# KiCad board CPU.kicad_pcb (continued)
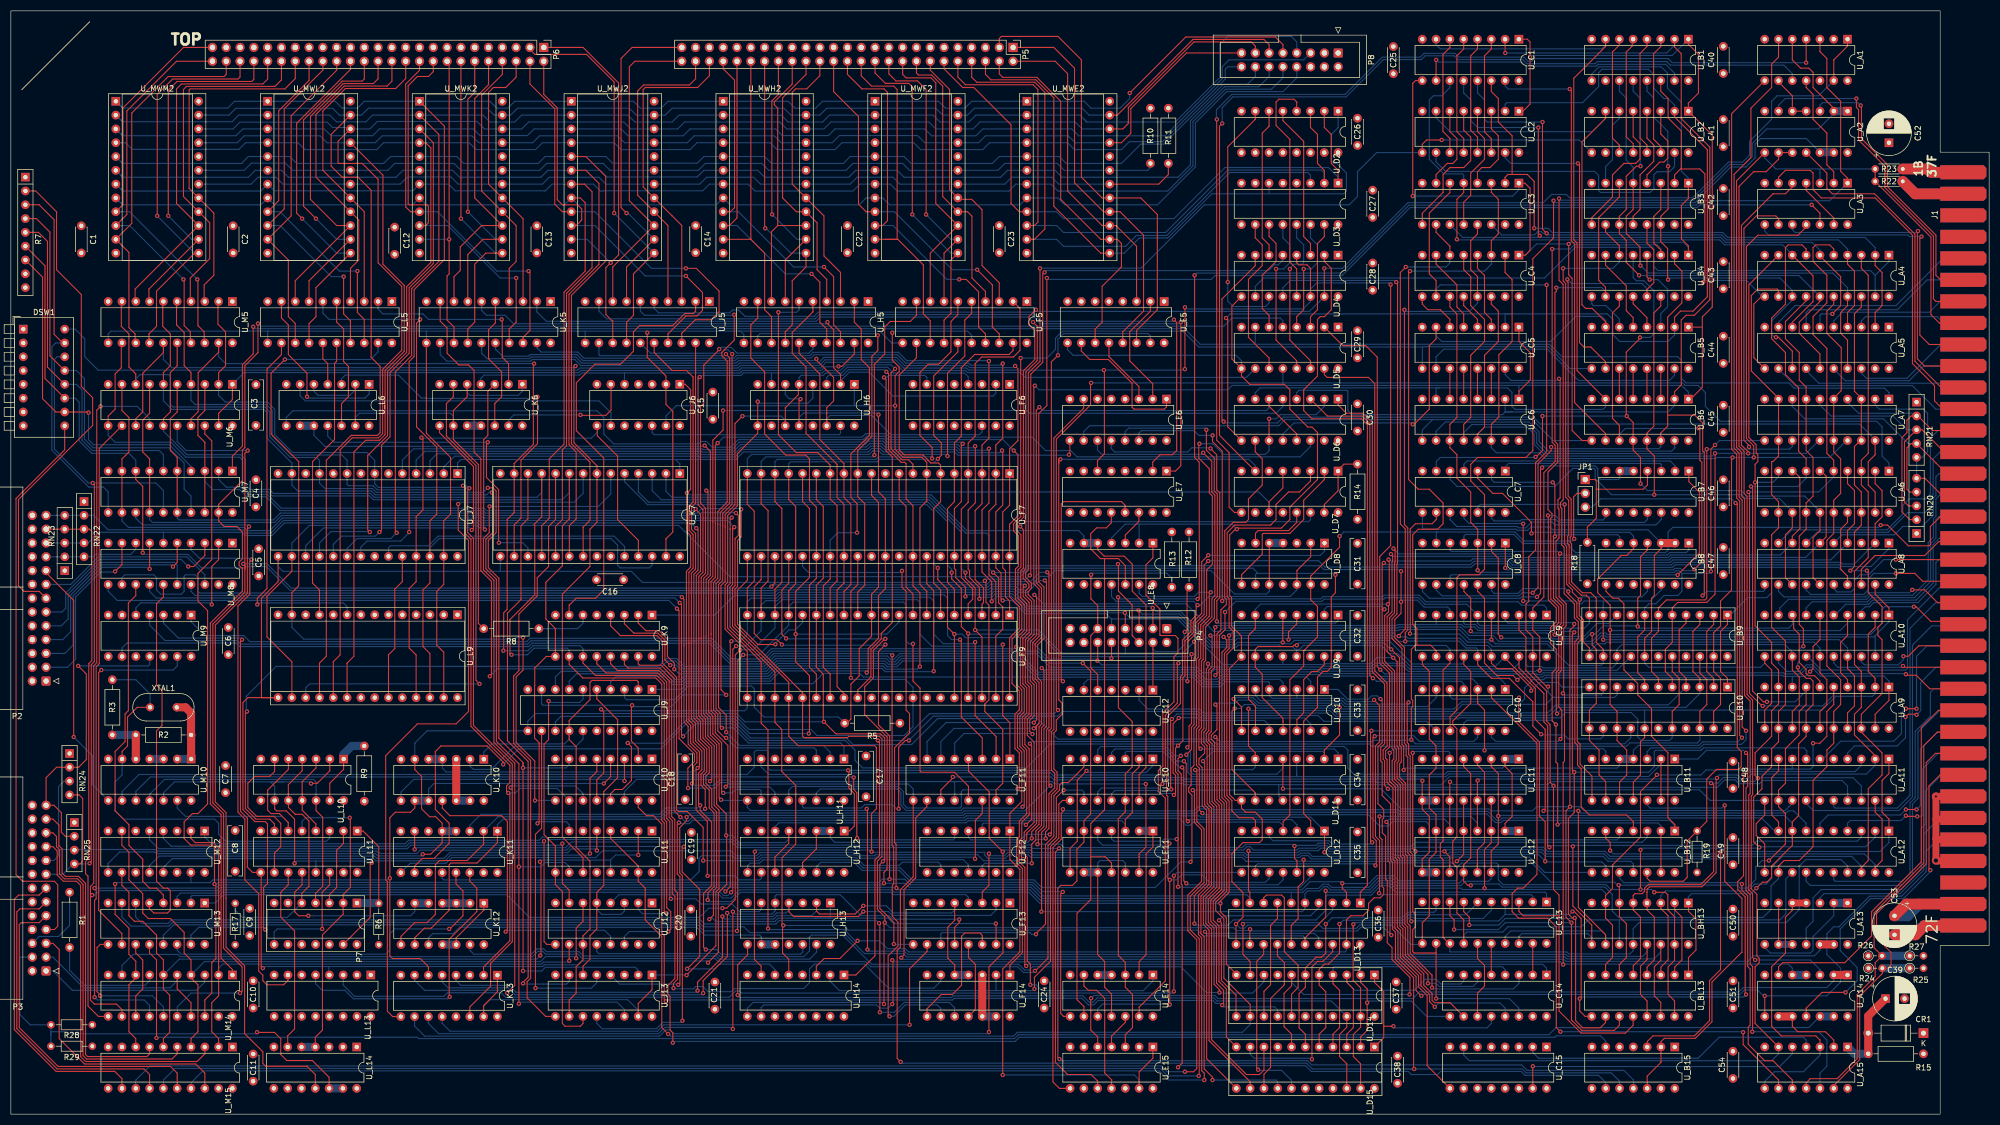
[diagram p0: board, top side]
## Routing (per net, layer and track width the routed paths; a pad name or vN(x,y) marks a point on that pad's centre or on a via; arc(x,y) is an arc through that point) (continued)
  Bottom w1.5: 335.42,17.99 U_A14.12
/INT_ENABLE: length 323.9
  Top w0.2: U_F11.4 176.2,63.12 180.01,59.31 180.01,50.79 v1(182.5,48.3) 182.55,48.25 182.55,29.69 179.96,27.1 v1(179.96,15.1) ; v1(277.5,76.63) 277.44,76.57 277.44,72.25 281.25,68.44 281.25,54.84 282.32,53.78 282.32,46.52 v1(282.32,46.51)
  Bottom w0.2: U_B12.9 293.46,45.68 292.74,46.41 282.43,46.41 281.09,47.75 265,47.75 264.4,47.15 254.52,47.15 254.24,47.42 239.44,47.42 238.84,48.02 237.32,48.02 236.99,47.68 227.4,47.68 226.95,48.14 188.09,48.14 187.62,48.6 182.8,48.6 v1(182.5,48.3) ; v1(179.96,15.1) 179.96,14.91 179.85,14.8 121.95,14.8 121.25,15.5 120.5,15.5 119.35,14.35 76.14,14.35 74.98,15.51 74.97,15.51 74.28,16.19 U_K13.10 ; U_C10.5 264.8,76.87 265.29,76.38 277.24,76.38 v1(277.5,76.63)
/J13_12: length 292.5
  Top w0.2: U_B12.1 306.16,53.3 304.93,54.53 ; 304.93,66.47 301.88,69.52 301.88,74.6 299.34,77.14 299.34,79.21 296.8,81.75 296.8,93.9 295.79,94.92 294.77,94.92 293.5,96.19 U_B8.8 ; v1(123.57,17.19) 123.56,17.2 123.56,43.89 123.07,44.38 123.07,52.73 124.34,54 v1(124.34,54.65) ; 304.89,54.53 304.89,66.47
  Bottom w0.2: v1(123.57,17.19) 123.27,16.89 119.96,16.89 118.79,15.71 108.8,15.71 107.81,16.7 U_J13.12 ; U_B12.1 306.16,53.09 305.21,54.04 274.59,54.04 274.19,53.64 273.18,53.64 271.58,55.24 255.44,55.24 255.13,55.55 220.86,55.55 220.26,56.15 218.79,56.15 217.99,55.35 189.56,55.35 175.59,55.35 175.21,54.97 124.65,54.97 v1(124.34,54.65)
/K7_OR_{0}: length 107.3
  Top w0.2: U_K7.12 95.14,109.54 93.86,108.25 93.86,94.67 91.37,92.18 91.37,68.7 95.18,64.89 95.18,25.2 94.24,24.25 v1(94.24,24.05)
  Bottom w0.2: U_J13.7 102.73,24.42 102.24,23.93 98.01,23.93 98,23.93 94.36,23.93 v1(94.24,24.05)
/K7_OR_{1}: length 107.8
  Top w0.2: U_J13.9 98.4,17.99 94.99,21.4 94.99,24.37 95.63,25.01 95.63,65.08 92.51,68.2 92.51,80.63 93.47,81.59 93.47,92 96.85,95.37 96.85,98.68 98.94,100.76 98.94,108.13 100.22,109.41 U_K7.10
/K7_OR_{2}: length 135.1
  Top w0.2: v1(82.3,112.26) 82.3,112.09 82.31,112.08 82.31,107.47 84.2,105.57 84.2,74.09 81.92,71.81 74.81,71.81 68.96,65.96 68.96,43.09 69.27,42.78 69.27,18.92 70.24,17.95 U_K13.9
  Bottom w0.2: v1(82.3,112.26) 82.64,112.6 103.66,112.6 105.3,114.24 U_K7.8
/K7_OR_{3}: length 139
  Top w0.2: v1(91.32,22.28) 92.71,23.67 92.71,64.58 88.88,68.41 88.88,98.22 86.94,100.16 86.94,105.93 88.01,107 88.01,111.75 v1(88.08,111.81)
  Bottom w0.2: U_K7.6 110.38,114.11 108.08,111.81 v1(88.08,111.81) ; 74.28,25.62 74.28,24.63 76.13,22.78 90.81,22.78 v1(91.32,22.28)
/K7_S_{0}: length 70.4
  Top w0.2: v1(96.9,132) 96.9,123.37 93.86,120.32 93.86,109.65 92.6,108.4 U_K7.16
  Bottom w0.2: 60.84,134.28 60.84,135.31 61.51,135.98 71.33,135.98 75.57,131.75 76.33,131.75 76.38,131.7 96.6,131.7 v1(96.9,132)
/K7_S_{1}: length 58.7
  Top w0.2: v1(89.79,105.14) 89.74,105.2 89.74,114.91 87.51,117.14 87.51,123.39 v1(87.75,123.63)
  Bottom w0.2: U_K7.17 95.14,104.18 94.17,105.14 v1(89.79,105.14) ; U_L6.11 58.3,124.76 59.44,123.62 87.75,123.62 v1(87.75,123.63)
/L13_~{K}: length 190.9
  Top w0.2: v1(214,43.87) 214,22.58 v1(213.99,22.58)
  Bottom w0.2: U_L13.3 61.14,23.75 63.21,21.68 79.69,21.68 80.34,22.33 90.2,22.33 91.01,21.51 132.21,21.51 133.35,22.66 134.05,22.66 134.43,22.28 213.69,22.28 v1(213.99,22.58) ; v1(214,43.87) 214.61,44.47 U_D12.8
/M10C_a: length 390.6
  Top w0.2: v1(213.24,20.16) v1(213.24,43.1) 212.87,43.47 212.87,58.45 212.64,58.69 v1(212.64,62.71) 212.87,62.94 212.87,73.22 215.19,75.54 215.19,80.5 215.58,80.89 215.58,87.24 217.12,88.78 217.12,90.79 218.1,91.77 218.1,93.39 v1(218.36,93.65) ; U_H12.1 154.28,52.09 155.2,53.01 155.2,58.98 154.18,60 154.18,63.13 v1(154.05,63.25) ; U_D8.12 236.63,100.03 239.17,102.56 U_D8.2
  Bottom w0.2: U_M10.9 20.47,59.38 23.59,62.5 135.48,62.5 136.78,63.81 136.78,66.6 137.12,66.94 139.11,66.94 139.32,66.73 139.32,63.68 139.7,63.3 154.01,63.3 v1(154.05,63.25) 154.33,62.98 154.61,63.25 191.47,63.25 192.32,62.41 212.34,62.41 v1(212.64,62.71) ; v1(213.24,43.1) 214.51,43.1 215.42,44.02 219.18,44.02 220.55,42.65 230.82,42.65 231.55,43.38 U_D12.10 ; U_E14.10 199.98,19.36 200.86,20.24 213.15,20.24 v1(213.24,20.16) ; U_E11.5 199.98,50.39 200.87,49.5 212.87,49.5 v1(213.17,49.8) ; U_D8.12 236.63,96.47 235.43,95.27 220.44,95.27 218.82,93.65 v1(218.36,93.65) 217.65,94.36 203.38,94.36 202.52,95.22 U_E8.11
/M10C_b: length 165.9
  Top w0.2: v1(155.07,61.95) 155.07,59.75 155.65,59.17 155.65,50.82 v1(155.71,50.77)
  Bottom w0.2: U_M10.10 23.01,59.38 25.68,62.05 154.97,62.05 v1(155.07,61.95) ; U_F12.5 173.66,50.72 173.41,50.47 156,50.47 v1(155.71,50.77)
/MainClockPhi1: length 269.1
  Top w0.2: U_L11.7 48.5,53.41 47.63,54.28 45.09,54.28 43.15,56.22 43.15,73.79 v1(43.45,74.09)
  Bottom w0.2: v1(43.45,74.09) 43.31,74.23 43.31,76.89 48.81,82.39 119.17,82.39 120.6,83.82 121.83,83.82 121.84,83.82 122.5,83.82 123.93,82.39 138.62,82.39 140.52,84.29 161.27,84.29 161.87,83.69 162.49,83.69 163.55,84.74 188.74,84.74 191.26,82.22 218.27,82.22 219.27,81.21 220.86,81.21 221.47,81.82 240.92,81.82 241.23,81.51 251.03,81.51 251.99,80.55 273.58,80.55 274.96,79.17 U_C10.1
/MainClockPhi3: length 34.6
  Top w0.2: v1(54.74,36.5) 52.96,36.5 52.23,37.23 52.23,40.85 53.58,42.19 U_L11.12
  Bottom w0.2: U_K12.6 74.32,37.27 73.54,36.49 54.75,36.49 v1(54.74,36.5)
  Bottom w1.5: U_K12.6 U_K12.5
/MemAddr_LD_SWAP: length 287.7
  Top w0.2: 307.34,167.18 308.67,168.51 308.67,168.75 308.66,168.75 U_B3.1 ; 307.47,160.96 308.66,159.77 U_B4.1 ; U_C4.1 278.66,158.06 279.53,158.93 279.53,170.36 278.59,171.3 U_C3.1 ; v1(286.64,160.11) 286.64,154.42 287.27,153.79 287.27,125.79 289.11,123.94 U_B6.9 ; U_C1.9 258.45,190.17 257.94,189.66 v1(257.94,168.92) ; 307.39,167.18 307.39,161.04
  Bottom w0.2: U_B3.1 308.66,172.22 307.37,173.51 307.37,186.21 304.8,188.77 304.8,191.57 303.66,192.71 292.23,192.71 290.88,191.36 U_B1.9 ; v1(257.94,168.92) 276.31,168.92 277.48,170.08 U_C3.1 ; U_C6.9 259.7,125.89 261.6,127.79 ; U_E6.10 197.4,125.56 198.5,126.67 233.3,126.67 234.43,127.79 261.6,127.79 ; 261.6,127.79 279.93,127.79 283.78,123.94 U_B6.9 ; U_C4.1 278.66,158.06 280.72,160.11 v1(286.64,160.11) 286.94,160.41 307.76,160.41 308.66,159.52 U_B4.1
/MemFault_EN: length 146.3
  Top w0.2: U_B11.2 U_B11.13 ; 171.12,57.72 171.12,59.66 173.33,61.87 v1(173.33,62.05)
  Bottom w0.2: U_B11.2 303.62,64.4 301.34,62.12 270.22,62.12 270.19,62.15 264.74,62.15 263.18,60.58 254.36,60.58 253.87,61.08 251.34,61.08 251.22,61.19 215.84,61.19 215.53,61.5 191.94,61.5 191.4,62.05 v1(173.33,62.05)
/MWR.A6_{0}: length 69.5
  Top w0.2: U_MWK2.9 73.54,166.04 72.65,166.93 72.65,189.54 75.19,192.08 75.19,193.98 ; v1(95.26,155.12) 95.51,154.86 95.51,144.2 94.23,142.92 U_K5.18
  Bottom w0.2: v1(95.26,155.12) 89.41,155.12 78.49,166.04 U_MWK2.9
/MWR.A6_{1}: length 72.4
  Top w0.2: P6.18 77.73,191.82 76.84,190.93 74.81,190.93 73.1,189.23 73.1,167.49 73.28,167.31 76.58,167.31 76.82,167.07 76.82,164.01 76.32,163.5 U_MWK2.10 ; v1(92.97,153.85) 92.97,145.73 91.69,144.45 U_K5.17
  Bottom w0.2: v1(92.97,153.85) 90.04,153.85 80.39,163.5 U_MWK2.10
/MWR.A6_{2}: length 57.6
  Top w0.2: U_K5.13 81.53,144.83 80.26,146.11 80.26,154.22 80.65,154.61 v1(80.65,160.96) 80.65,193.35
  Bottom w0.2: v1(80.65,160.96) U_MWK2.11
/MWR.A6_{3}: length 60.1
  Top w0.2: U_K5.14 84.07,144.44 85.35,145.72 85.35,156.39 87.38,158.42 U_MWK2.13 ; P6.14 v1(82.81,164.77)
  Bottom w0.2: U_MWK2.13 89.16,158.42 v1(82.81,164.77)
/MWR.A6_{4}: length 52.8
  Top w0.2: U_MWK2.14 86.87,160.96 84.07,158.16 U_K5.7 ; P6.12 85.35,188.01 84.08,186.74 v1(84.08,166.04)
  Bottom w0.2: v1(84.08,166.04) 89.16,160.96 U_MWK2.14
/MWR.A6_{5}: length 53.3
  Top w0.2: P6.10 87.89,189.42 85.35,186.88 85.35,168.57 U_MWK2.15 86.62,163.5 82.68,159.56 82.68,155.25 81.53,154.1 U_K5.8
/MWR.A6_{6}: length 48.9
  Top w0.2: U_K5.4 91.69,155.62 92.97,156.9 92.97,163.5 U_MWK2.16 86.62,169.84 86.62,187.51 90.43,191.32 P6.8
/MWR.A6_{7}: length 50.3
  Top w0.2: P6.6 92.97,190.81 91.06,188.9 88.78,188.9 87.89,188.01 87.89,171.12 U_MWK2.17 94.23,164.77 U_K5.3
/MWR.B5_{0}: length 70.2
  Top w0.2: U_F5.18 181.86,143.56 180.53,144.89 180.6,144.96 180.6,152.58 v1(177.8,155.37) ; P5.28 151.39,188.14 155.96,183.57 155.96,167.43 157.36,166.04 U_MWF2.9
  Bottom w0.2: U_MWF2.9 162.57,166.04 173.23,155.37 v1(177.8,155.37)
/MWR.B5_{1}: length 70.6
  Top w0.2: U_F5.17 179.32,143.56 178.06,144.83 178.06,151.31 175.77,153.59 v1(174.5,153.59) ; U_MWF2.10 160.4,163.5 161.3,164.39 161.3,188.01 160.66,188.65 156.59,188.65 153.93,191.31 153.93,192.83
  Bottom w0.2: v1(174.5,153.59) 172.22,153.59 162.31,163.5 U_MWF2.10
/MWR.B5_{2}: length 65.8
  Top w0.2: 160.91,160.96 163.2,160.96 167.9,156.26 167.9,147.24 169.17,145.97 169.17,141.9 ; 160.91,160.96 163.07,160.96 163.07,188.52 162.44,189.15 158.37,189.15 156.47,191.06 P5.24 ; 160.91,160.96 U_MWF2.11
/MWR.B5_{3}: length 62.5
  Top w0.2: v1(165.87,165.53) 165.87,189.02 165.23,189.66 160.91,189.66 159.01,191.56 P5.22 ; U_MWF2.13 172.98,157.16 172.98,147.37 171.7,146.1 U_F5.14
  Bottom w0.2: U_MWF2.13 172.98,158.42 v1(165.87,165.53)
/MWR.B5_{4}: length 53.6
  Top w0.2: P5.20 161.55,191.4 162.84,190.12 166.81,190.12 168.41,188.52 v1(168.41,165.53) ; U_F5.7 171.7,158.42 U_MWF2.14
  Bottom w0.2: U_MWF2.14 172.98,160.96 v1(168.41,165.53)
/MWR.B5_{5}: length 53.2
  Top w0.2: P5.18 164.09,191.31 164.72,190.68 169.3,190.68 170.19,189.79 170.19,167.56 U_MWF2.15 169.16,158.42 U_F5.8
/MWR.B5_{6}: length 51.9
  Top w0.2: U_F5.4 179.32,151.38 176.84,153.86 176.84,165.22 176.03,166.04 U_MWF2.16 171.46,168.83 171.46,189.16 169.43,191.19 167.01,191.19 166.63,191.56 P5.16
/MWR.B5_{7}: length 50.5
  Top w0.2: 174.5,168.33 176.79,168.33 178.69,166.42 178.69,156.13 181.86,152.96 U_F5.3 ; P5.14 169.17,192.09 172.73,188.54 172.73,170.1 U_MWF2.17
/MWR.C4_{0}: length 68.7
  Top w0.2: U_MWH2.9 132.39,166.04 133.16,166.8 133.16,190.25 131.07,192.33 131.07,194.23 ; v1(149.61,155.88) 151.39,154.1 151.39,145.21 152.65,143.95 U_H5.18
  Bottom w0.2: v1(149.61,155.88) 144.02,155.88 133.86,166.04 U_MWH2.9
/MWR.C4_{1}: length 65.8
  Top w0.2: U_MWH2.10 132.21,163.5 133.61,164.9 P5.42 ; U_H5.17 150.11,144.45 148.85,145.72 148.85,153.09 v1(147.33,154.61)
  Bottom w0.2: U_MWH2.10 133.61,163.5 142.5,154.61 v1(147.33,154.61)
/MWR.C4_{2}: length 58.5
  Top w0.2: P5.40 136.15,161.09 ; 136.15,161.09 136.02,160.96 U_MWH2.11 ; 136.15,161.09 136.15,160.96 138.69,158.42 138.69,148.01 139.96,146.74 139.96,141.91
/MWR.C4_{3}: length 58.3
  Top w0.2: U_H5.14 142.49,143.94 143.77,145.21 143.77,153.34 146.3,155.88 U_MWH2.13 ; P5.38 138.69,163.12 v1(138.81,162.99)
  Bottom w0.2: v1(138.81,162.99) 138.94,162.99 143.52,158.42 U_MWH2.13
/MWR.C4_{4}: length 49.9
  Top w0.2: U_H5.7 142.49,157.15 U_MWH2.14 ; P5.36 141.23,187.64 140.01,186.42 140.01,165.6 v1(140.08,165.53)
  Bottom w0.2: U_MWH2.14 144.66,160.96 v1(140.08,165.53)
/MWR.C4_{5}: length 51.5
  Top w0.2: 141.1,163.5 U_MWH2.15 ; 141.1,163.5 139.95,162.35 U_H5.8 ; 141.1,163.5 141.1,185.09 140.47,185.72 140.47,186.24 143.77,189.54 P5.34
/MWR.C4_{6}: length 50.4
  Top w0.2: P5.32 146.31,191.32 141.99,187 141.99,168.58 144.53,166.04 U_MWH2.16 148.34,164 148.34,155.37 150.11,153.6 U_H5.4
/MWR.C4_{7}: length 51.2
  Top w0.2: U_H5.3 152.65,154.87 149.61,157.91 149.61,165.27 U_MWH2.17 143.77,171.12 143.77,188.01 144.4,188.65 146.43,188.65 148.85,191.06 P5.30
/MWR.D3_{0}: length 65.6
  Top w0.2: v1(63.76,155.12) 63.76,147.5 65.02,146.23 U_L5.18 ; U_MWL2.9 49.28,168.08 49.28,184.62 54.87,190.21 P6.36
  Bottom w0.2: U_MWL2.9 49.54,166.04 60.46,155.12 v1(63.76,155.12)
/MWR.D3_{1}: length 65
  Top w0.2: U_MWL2.10 50.3,166.55 50.3,184.99 57.41,192.1 P6.34 ; v1(61.22,154.1) 61.22,147.24 62.48,145.98 U_L5.17
  Bottom w0.2: v1(61.22,154.1) 58.93,154.1 49.54,163.5 U_MWL2.10
/MWR.D3_{2}: length 59.2
  Top w0.2: P6.32 59.95,192.08 51.57,183.7 51.57,165.28 U_MWL2.11 51.06,157.14 51.06,146.74 52.32,145.47 U_L5.13
/MWR.D3_{3}: length 64.7
  Top w0.2: U_MWL2.13 56.14,152.07 56.14,146.74 54.86,145.46 U_L5.14 ; v1(53.6,164.77) 52.58,165.79 52.58,182.32 62.49,192.23 P6.30
  Bottom w0.2: U_MWL2.13 59.95,158.42 v1(53.6,164.77)
/MWR.D3_{4}: length 59.2
  Top w0.2: U_L5.7 54.86,153.34 U_MWL2.14 ; v1(56.14,164.77) 53.85,167.06 53.85,182.95 60.97,190.07 64.65,190.07 65.03,190.45 P6.28
  Bottom w0.2: v1(56.14,164.77) 59.95,160.96 U_MWL2.14
/MWR.D3_{5}: length 61.3
  Top w0.2: P6.26 67.57,190.51 66.68,189.62 61.16,189.62 55.12,183.58 55.12,168.33 59.95,163.5 U_MWL2.15 52.32,153.34 U_L5.8
/MWR.D3_{6}: length 58.5
  Top w0.2: U_L5.4 62.48,155.62 64.01,157.15 64.01,164.51 U_MWL2.16 56.14,172.38 56.14,183.95 61.35,189.16 69.22,189.16 70.11,190.05 P6.24
/MWR.D3_{7}: length 59.1
  Top w0.2: P6.22 72.65,190.55 70.8,188.71 61.54,188.71 57.41,184.58 57.41,173.66 U_MWL2.17 65.02,166.04 U_L5.3
/MWR.E2_{0}: length 73.1
  Top w0.2: 35.56,141.9 35.56,143.94 34.42,145.08 34.42,153.47 v1(34.3,153.59) ; 37.09,196.27 31.76,196.27 20.63,185.14 20.63,167.36 U_MWM2.9
  Bottom w0.2: U_MWM2.9 21.85,166.04 v1(34.3,153.59)
/MWR.E2_{1}: length 70.2
  Top w0.2: U_MWM2.10 21.34,165.53 21.34,184.58 30.49,193.73 37.09,193.73 ; v1(31.76,153.59) 31.88,153.47 31.88,145.09 33.02,143.95 33.02,141.9
  Bottom w0.2: v1(31.76,153.59) 21.85,163.5 U_MWM2.10
/MWR.E2_{2}: length 67.7
  Top w0.2: 39.63,193.73 39.63,191.32 39.23,190.92 28.95,190.92 22.25,184.22 22.25,163.9 U_MWM2.11 21.72,158.55 21.72,144.7 22.86,143.56 22.86,141.9
/MWR.E2_{3}: length 72.8
  Top w0.2: P6.46 42.17,190.85 41.79,190.46 29.76,190.46 26.93,187.63 v1(26.93,165.28) ; U_MWM2.13 33.79,158.42 26.8,151.43 26.8,144.96 25.4,143.56 25.4,142.15
  Bottom w0.2: v1(26.93,165.28) 33.79,158.42 U_MWM2.13
/MWR.E2_{4}: length 65.4
  Top w0.2: 25.4,149.77 25.4,151.81 U_MWM2.14 ; P6.44 44.71,190.39 44.33,190.01 30.58,190.01 28.96,188.39 28.96,165.22
  Bottom w0.2: U_MWM2.14 33.28,160.96 v1(28.96,165.28)
/MWR.E2_{5}: length 66.2
  Top w0.2: P6.42 47.25,190.45 46.36,189.55 31.39,189.55 30.49,188.65 30.49,167.56 U_MWM2.15 22.86,151.81 22.86,149.77
/MWR.E2_{6}: length 64.4
  Top w0.2: 33.02,149.77 33.02,153.84 36.58,157.4 36.58,164.01 U_MWM2.16 31.76,168.83 31.76,188.54 32.31,189.1 48.59,189.1 49.79,190.3 P6.40
/MWR.E2_{7}: length 64.9
  Top w0.2: P6.38 52.33,190.55 50.42,188.65 33,188.65 32.8,188.44 32.8,170.33 U_MWM2.17 37.34,165.79 37.34,154.36 35.56,152.57 35.56,149.77
/MWR.F1_{0}: length 79.1
  Top w0.2: P6.4 95.51,189.54 100.08,184.97 100.08,167.43 101.48,166.04 U_MWJ2.9 ; U_J5.18 123.44,143.69 125.92,146.17 128.85,146.17 130.31,147.62 130.31,151.44 126.11,155.63 v1(124.2,155.63)
  Bottom w0.2: v1(124.2,155.63) 117.86,155.63 107.45,166.04 U_MWJ2.9
/MWR.F1_{1}: length 78.4
  Top w0.2: U_J5.17 120.9,143.56 124.2,146.86 126.24,146.86 127.26,147.88 127.26,151.18 v1(124.21,154.23) ; P6.2 98.05,187.64 100.54,185.16 100.54,168.25 101.48,167.31 104.27,167.31 105.03,166.55 105.03,164.52 104.02,163.5 U_MWJ2.10
  Bottom w0.2: U_MWJ2.10 107.45,163.5 116.72,154.23 v1(124.21,154.23)
/MWR.F1_{2}: length 74.9
  Top w0.2: P6.1 105.29,196.27 111.82,189.74 111.82,158.1 v1(110.37,156.64) 109.47,155.75 109.47,147.12 110.62,145.97 110.74,145.97 U_J5.13
  Bottom w0.2: U_MWJ2.11 106.05,160.96 v1(110.37,156.64)
/MWR.F1_{3}: length 71.1
  Top w0.2: U_J5.14 113.28,145.72 114.56,146.99 114.56,154.62 U_MWJ2.13 ; 95.51,195.88 96.4,195 105.92,195 111,189.92 v1(111,165.79)
  Bottom w0.2: v1(111,165.79) 111,165.78 U_MWJ2.13
/MWR.F1_{4}: length 61.5
  Top w0.2: U_J5.7 113.28,155.88 U_MWJ2.14 ; v1(113.29,165.79) 112.27,166.8 112.27,194.23 114.31,196.27 123.45,196.27
  Bottom w0.2: v1(113.29,165.79) 113.54,165.79 U_MWJ2.14
/MWR.F1_{5}: length 58.3
  Top w0.2: 123.45,193.73 114.82,193.73 113.8,192.71 113.8,168.07 U_MWJ2.15 110.74,155.88 U_J5.8
/MWR.F1_{6}: length 55.9
  Top w0.2: U_J5.4 120.9,163.5 U_MWJ2.16 115.32,169.08 115.32,188.27 116.41,189.35 124.84,189.35 125.99,190.5 125.99,193.73
/MWR.F1_{7}: length 57.9
  Top w0.2: U_J5.3 123.44,163.5 121.67,165.28 121.67,165.28 U_MWJ2.17 116.34,170.61 116.34,188.52 116.72,188.9 126.37,188.9 128.53,191.06 P5.46
/MWR.H0_{0}: length 113.8
  Top w0.2: U_D3.1 244.21,173.65 244.22,173.66 242.95,174.93 242.95,180.26 241.67,181.55 U_D2.2 ; U_MWE2.9 185.55,166.04 184.03,167.56 184.03,182.04 177.17,188.9 175.14,188.9 171.71,192.33 P5.12
  Bottom w0.2: U_D3.1 244.21,172.41 242.45,174.17 223.4,174.17 214,164.77 193.68,164.77 192.41,166.04 U_MWE2.9
/MWR.H0_{1}: length 121.7
  Top w0.2: U_D2.3 239.13,181.55 240.41,180.26 240.41,174.93 241.67,173.68 U_D3.2 ; P5.10 174.25,190.8 175.64,189.41 188.09,189.41 188.98,188.52 188.98,164.14 188.34,163.5 U_MWE2.10
  Bottom w0.2: U_MWE2.10 192.41,163.5 193.68,162.23 212.47,162.23 223.96,173.71 241.12,173.71 241.68,173.15 241.67,173.14 U_D3.2
/MWR.H0_{2}: length 106.8
  Top w0.2: U_MWE2.11 188.34,160.96 190.25,162.87 190.25,188.01 188.4,189.86 177.73,189.86 176.79,190.8 P5.8
  Bottom w0.2: U_D3.3 239.13,172.77 238.64,173.26 224.27,173.26 212.67,161.67 207.09,161.67 205.11,159.69 193.68,159.69 192.41,160.96 U_MWE2.11
/MWR.H0_{3}: length 117.5
  Top w0.2: U_MWE2.13 200.54,158.42 191.9,167.06 191.9,187 188.59,190.32 180.32,190.32 179.33,191.31 P5.6
  Bottom w0.2: 231.51,169.36 U_D3.6 ; U_D2.1 244.21,181.55 244.22,181.53 242.95,180.26 242.95,175.44 243.46,174.93 243.97,174.93 245.75,173.15 245.75,169.85 245.24,169.34 220.99,169.34 212.86,161.21 207.65,161.21 204.85,158.42 U_MWE2.13
/MWR.H0_{4}: length 68.6
  Top w0.2: P5.4 181.87,191.4 182.5,190.77 188.77,190.77 193.17,186.37 193.17,168.33 200.54,160.96 U_MWE2.14 203.58,160.96 204.35,160.2 204.35,155.88 200.79,152.32 200.79,145.72 199.5,144.44 199.5,141.91
/MWR.H0_{5}: length 59.6
  Top w0.2: U_E5.3 207.12,159.7 203.33,163.5 U_MWE2.15 200.79,163.5 194.44,169.85 194.44,191.44 192.15,193.73 P5.2
/MWR.H0_{6}: length 72.1
  Top w0.2: U_E5.13 204.59,143.93 208.41,147.75 208.41,161.72 204.09,166.04 U_MWE2.16 201.04,166.04 195.71,171.37 195.71,192.46 191.9,196.27 P5.1
/MWR.H0_{7}: length 82.3
  Top w0.2: P5.3 181.87,197.92 182.25,198.3 192.66,198.3 196.98,193.98 196.98,172.39 200.79,168.58 U_MWE2.17 207.9,168.58 210.95,165.53 210.95,148.01 207.12,144.18 U_E5.14
/Page.B_{0}: length 384.6
  Top w0.2: U_B9.4 308.23,90.35 306.96,89.08 306.96,81.46 308.23,80.19 U_B10.4 ; U_D11.10 228.97,59.12 224.69,63.4 224.69,74.16 v1(225.17,74.65) ; v1(217.47,59.61) 217.77,59.31 217.77,53.66 219.09,52.33 219.09,42.82 216.55,40.27 216.55,33.73 218.2,32.08 218.2,8.38 217.62,7.8 v1(216.03,7.8)
  Bottom w0.2: U_D11.10 228.97,59.12 228.48,59.61 v1(217.47,59.61) ; U_B10.4 304.95,75.3 284.28,75.3 282.82,73.84 266.16,73.84 265.96,73.64 243.99,73.64 242.92,74.7 229.26,74.7 228.6,75.36 226.95,75.36 226.24,74.65 v1(225.17,74.65) ; U_M15.13 22.98,6.27 25.58,8.87 211.67,8.87 212.74,7.8 v1(216.03,7.8)
/Page.B_{1}: length 377
  Top w0.2: U_D11.7 228.97,66.49 227.71,67.74 v1(227.71,74.6) ; U_B10.3 310.77,80.19 309.5,81.46 309.5,88.82 310.77,90.09 U_B9.3 ; v1(218.57,7.04) 218.66,7.12 218.66,32.26 217,33.92 217,40.08 219.55,42.63 219.55,52.52 218.22,53.85 218.22,63.03 v1(217.92,63.33)
  Bottom w0.2: v1(218.57,7.04) 212.86,7.04 211.48,8.41 30.21,8.41 28.06,6.27 U_M15.15 ; 218.64,63.37 217.97,63.37 v1(217.92,63.33) 217.65,63.33 217.61,63.37 218.64,63.37 ; 218.64,63.37 228.48,63.37 228.97,63.86 U_D11.7 ; U_B10.3 310.77,77.39 308.22,74.85 284.6,74.85 283.14,73.39 266.35,73.39 266.15,73.18 243.8,73.18 242.74,74.25 228.07,74.25 v1(227.71,74.6)
/Page.B_{2}: length 373.2
  Top w0.2: v1(244.48,74.85) 244.48,69.77 241.67,66.97 U_D11.2 ; v1(219.59,6.27) 219.59,7.53 219.11,8.01 219.11,32.45 218.51,33.05 218.51,40.31 220.46,42.25 220.46,56.13 219.66,56.93 219.66,64.65 v1(219.36,64.95) ; U_B10.2 313.31,80.19 312.04,81.46 312.04,88.82 313.31,90.09 U_B9.2
  Bottom w0.2: U_D11.2 241.67,66.2 241.68,66.22 241.68,66.47 241.41,66.74 221.15,66.74 v1(219.36,64.95) ; v1(244.48,74.85) 244.79,74.55 265.58,74.55 266.92,75.88 278.01,75.88 278.51,76.38 278.51,78.41 280.04,79.93 282.01,79.93 282.37,80.3 313.31,80.3 U_B10.2 ; v1(219.59,6.27) 219.58,6.28 212.97,6.28 211.3,7.96 35.34,7.96 33.15,5.76 33.15,4.49
/ParitySelect: length 204.6
  Top w0.2: 168.53,57.68 168.53,56.57 166.49,54.53 166.49,43.48 164.34,41.33 164.34,29.29 v1(163.83,28.78)
  Top w1.5: 335.42,31.23 U_A13.12
  Bottom w0.2: 332.87,31.22 332.87,30.15 331.85,29.13 320.63,29.13 319.62,28.12 286.1,28.12 285.74,28.48 164.13,28.48 v1(163.83,28.78)
/PROM_Disable: length 305.7
  Top w0.2: U_BH13.14 303.58,28.29 302.39,27.1 302.39,21.77 303.58,20.58 U_BL13.14
  Bottom w0.2: U_M13.7 20.42,36.27 22.1,34.59 29.08,34.59 29.77,35.28 126.58,35.28 127.4,34.47 134.88,34.47 135.95,33.4 153.22,33.4 157.08,29.53 164.2,29.53 164.79,28.93 285.93,28.93 286.29,28.57 302.34,28.57 303.58,29.82 U_BH13.14
/PTR.Q_{0}: length 112.7
  Top w0.2: U_A10.11 322.7,82.99 323.98,81.71 323.98,75.62 322.7,74.34 U_A9.11 ; U_B8.3 303.67,104.07 302.39,102.79 302.39,95.43 301.88,94.92 301.88,88.82 300.61,87.55 U_B9.16
  Top w1.5: U_B8.2 U_B8.3
  Bottom w0.2: U_B9.16 300.61,82.98 301.37,82.22 321.95,82.22 322.7,82.98 U_A10.11 ; U_C7.8 259.74,107.62 277,107.62 277.2,107.42 279.08,107.42 279.69,108.04 283.2,108.04 283.73,107.51 301.23,107.51 U_B8.3
/PTR.Q_{1}: length 119.7
  Top w0.2: 327.79,70.78 327.79,74.09 329.06,75.36 329.06,80.44 327.79,81.71 327.79,83.99 ; U_C7.9 262.28,109.42 261.5,108.64 258.45,108.64 257.49,107.67 257.49,88.47 v1(257.43,88.42)
  Bottom w0.2: v1(257.43,88.42) 257.53,88.32 266.58,88.32 268.05,86.85 271.81,86.85 272.58,86.08 278.47,86.08 278.77,85.78 278.77,82.73 279.13,82.37 281.62,82.37 281.87,82.11 294.66,82.11 295.53,82.98 U_B9.14 295.53,85.52 296.4,86.39 326.41,86.39 327.79,85.02 327.79,84.24
/PTR.Q_{2}: length 121.8
  Top w0.2: 332.87,83.99 332.87,81.2 334.14,79.93 334.14,75.36 332.87,74.09 332.87,70.78 ; v1(285.88,112.19) 285.88,104.84 286.26,104.46 286.26,97.52 287.32,96.47 287.32,96.02 v1(288.67,94.67) 288.67,94.59 288.59,94.5 288.59,91.7 289.32,90.97 289.32,86.91 290.45,85.78 U_B9.12
  Bottom w0.2: v1(285.88,112.19) 270.39,112.19 269.88,111.68 269.88,110.72 ; 332.87,84.24 332.87,85.78 331.8,86.85 293.61,86.85 293.3,86.54 291.87,86.54 290.45,85.12 U_B9.12 ; v1(288.67,94.67) 289.18,95.17 300.1,95.17 301.12,96.19 U_B8.11
/PTR.Q_{3}: length 122.5
  Top w0.2: 337.95,83.99 337.95,81.97 339.22,80.7 339.22,75.11 337.94,73.83 337.94,70.78 ; v1(292.99,87.29) U_B9.10 ; v1(278.26,94.41) v1(278.26,108.64)
  Bottom w0.2: v1(278.26,94.41) 287.86,94.41 288.36,93.91 288.99,93.91 289.49,94.41 292.99,94.41 ; U_B9.10 292.99,94.41 ; 292.99,94.41 301.63,94.41 303.67,96.45 U_B8.12 ; 337.94,84.5 337.94,85.78 336.43,87.3 293,87.3 v1(292.99,87.29) ; v1(278.26,108.64) 278.22,108.67 268.32,108.67 267.36,109.63 U_C7.11
/PTR.Q_{4}: length 163.1
  Top w0.2: 343.02,78.4 343.02,80.18 343.03,80.19 341.76,81.46 341.76,88.32 343.02,89.58 343.02,91.61 ; U_B10.16 300.61,69.27 299.85,68.5 299.85,62.41 298.54,61.1 U_B11.11 ; v1(283.7,116.25) 284.09,115.85 v1(284.09,106.3) 283.85,106.06 283.85,94.93 285.26,93.52 285.26,90.23 284.81,89.77 284.81,81.78 284.36,81.32 284.36,73.84 v1(284.51,73.69)
  Bottom w0.2: 296.04,105.08 296.04,106.22 295.66,106.6 284.39,106.6 v1(284.09,106.3) ; v1(283.7,116.25) 283.69,116.26 272.93,116.26 272.42,116.76 272.44,116.78 U_C7.2 ; v1(284.51,73.69) 285.17,74.35 333.26,74.35 335.8,76.89 342.52,76.89 343.02,77.39 343.02,78.4 ; U_B10.16 300.61,74.35
/PTR.Q_{5}: length 153.1
  Top w0.2: v1(294.26,89.08) 294.26,86.54 ; 294.26,86.54 294.26,75.36 295.53,74.09 U_B10.14 295.53,68.76 297.31,66.98 297.31,62.41 296,61.1 U_B11.10 ; 294.26,86.54 294.26,93.65 291.98,95.94 291.98,98.48 296.29,102.79 297.31,102.79 298.58,104.07 U_B8.5 ; v1(279.78,106.86) 279.78,108.89 274.45,114.22 272.67,114.22 269.9,117 U_C7.3 ; 337.95,91.61 337.95,88.06 336.68,86.79 336.68,81.2 337.95,79.93 337.95,79.68 337.94,79.68 337.94,78.4
  Bottom w0.2: U_B8.5 298.58,106.34 297.87,107.06 283.54,107.06 283.53,107.06 279.99,107.06 v1(279.78,106.86) ; v1(294.26,89.08) 294.37,88.97 336.57,88.97 337.94,90.34 337.94,91.86
/PTR.Q_{6}: length 136.9
  Top w0.2: v1(299.34,89.72) 299.34,94.92 299.85,95.43 299.85,102.54 301.12,103.81 U_B8.4 ; 332.87,78.4 332.87,79.69 331.88,80.67 330.75,80.67 330.31,81.11 330.31,81.86 329.06,83.11 329.06,88.32 328.04,89.34 328.04,91.86 ; v1(290.96,88.32) 290.96,86.28 291.72,85.52 291.72,75.62 290.45,74.35 U_B10.12 290.45,68.76 292.23,66.98 292.23,62.41 293.46,61.18 U_B11.9 ; U_C8.11 267.36,96.17 268.61,94.92 v1(268.61,88.89)
  Bottom w0.2: 327.79,91.61 327.79,90.09 327.12,89.42 299.64,89.42 v1(299.34,89.72) 299.23,89.84 292.99,89.84 291.47,88.32 v1(290.96,88.32) 290.75,88.53 289.67,87.45 283.74,87.45 282.66,88.53 268.96,88.53 v1(268.61,88.89)
/PTR.Q_{7}: length 337.6
  Top w0.2: v1(285.06,103.17) 284.86,102.98 284.86,95.2 286.17,93.89 286.17,89.85 285.72,89.4 285.72,77.58 v1(285.57,77.42) 285.87,77.12 285.87,64.94 285.63,64.69 v1(285.63,27.53) ; v1(162.17,20.24) 162.31,20.38 162.31,28.19 v1(162.17,28.33)
  Bottom w0.2: 327.8,25.6 327.8,26.84 327.03,27.61 285.71,27.61 v1(285.63,27.53) 285.13,28.03 162.47,28.03 v1(162.17,28.33) ; v1(285.57,77.42) 285.87,77.12 292.66,77.12 292.99,77.45 U_B10.10 ; U_H14.10 138.05,19.6 138.54,20.1 159.28,20.1 159.88,19.5 161.43,19.5 v1(162.17,20.24) ; U_C8.5 264.82,103.83 264.8,103.81 265.07,103.54 284.69,103.54 v1(285.06,103.17) 285.36,102.87 304.78,102.87 305.25,103.34 308.27,103.34 308.75,103.81 U_B8.1
  Bottom w1.5: U_A14.4 327.8,25.6
